# Altium PCB LimeSDR-X3_1v2.PcbDoc (part 18 of 25)
Units mm, origin at the board's own origin, x right, y up, seen from the top; angles counter-clockwise.
Board outline 232.5 x 111.15 mm, 12 copper layers (Top, L2, L3, L4, L5, L6, L7, L8, L9, L10, L11, Bottom), stack 1.596 mm thick; 2084 components, 1388 nets, 8919 pads, 3667 vias.
Unrouted connection lines stored in the file: 1.
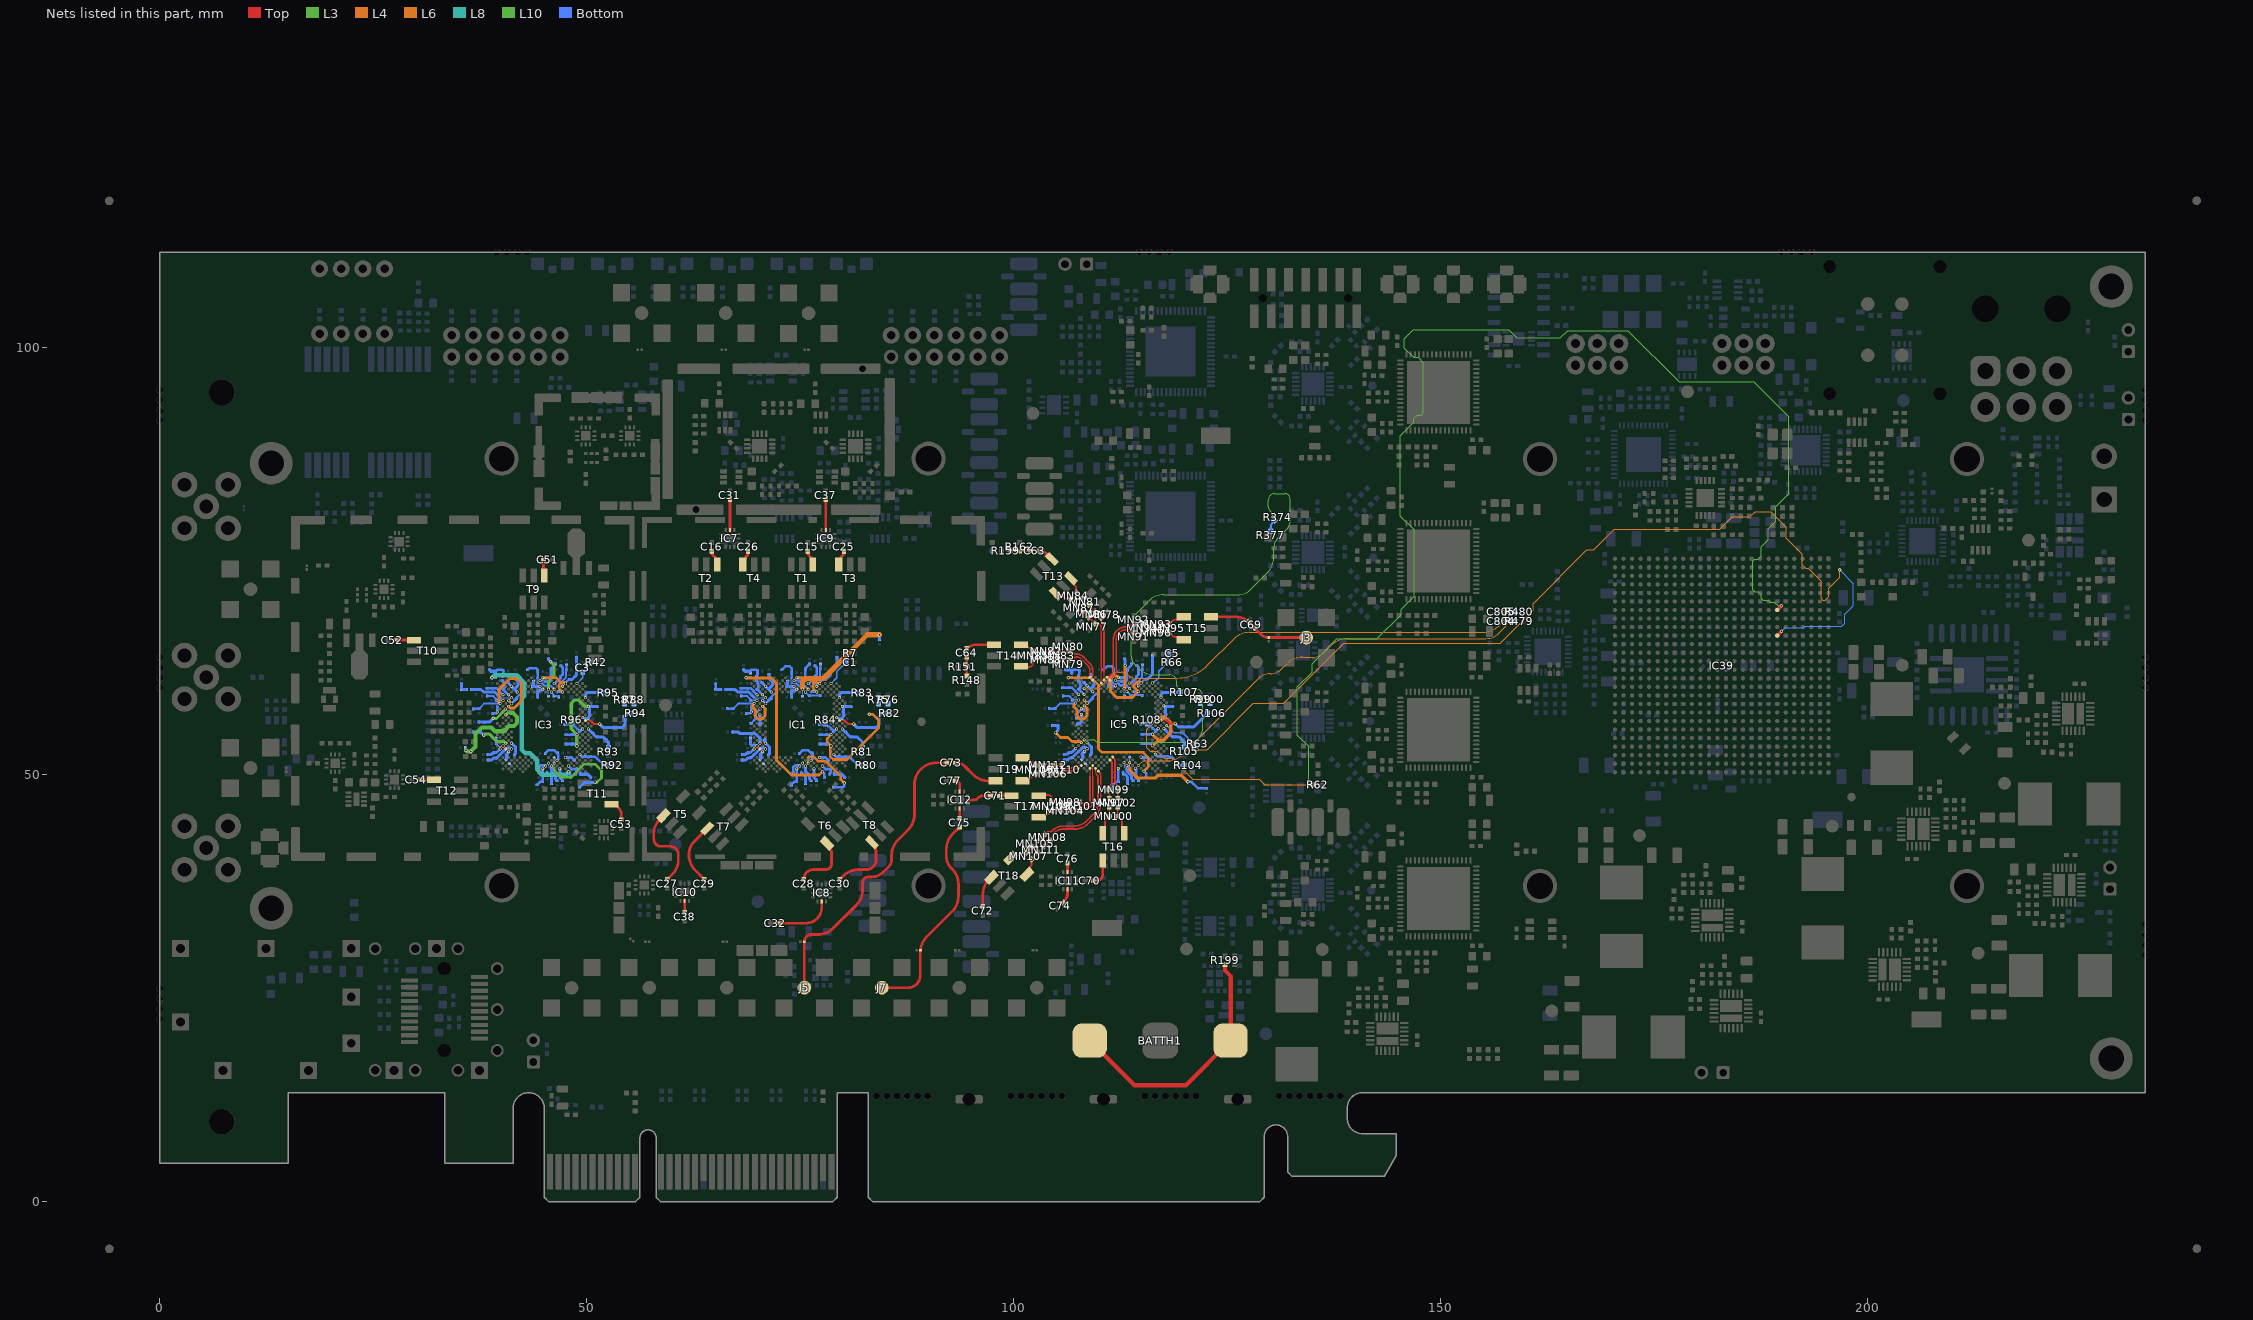
[diagram p28: the nets of this part, all layers, seen from the top]

## Via types
v1: diameter 0.4, hole 0.2, Top to Bottom, tented both sides, 3084 vias
v2: diameter 0.35, hole 0.2, Top to Bottom, tented both sides, 272 vias
v3: diameter 0.5, hole 0.2, Top to Bottom, tented bottom, 196 vias
v4: diameter 0.5, hole 0.2, Top to Bottom, tented both sides, 102 vias
v5: diameter 0.8, hole 0.4, Top to Bottom, tented both sides, 12 vias
v6: diameter 0.6, hole 0.3, Top to Bottom, tented both sides, 1 vias

## Nets (pads, with @x,y where several pads share a name; then routed paths per layer and width w, separated by ;. In a path a pad name is that pad's centre, name@x,y a point inside that pad or via, vN(x,y) a via of type N, cw(c..) or ccw(c..) an arc to the next point about the centre after c; other vN are vias at no path point) (continued)
LMS3_RX2_BB_Q_P: IC5.AC5 R374.1 R377.2 | length 68.8
  L3 w0.1: v2(108.227,54.064) 109.243,54.064 cw(c109.243,53.599) 109.572,53.928 109.6,53.9 ; 109.6,53.9 ccw(c109.841,54.141) 109.841,53.8 120.482,53.8 ccw(c120.482,55.418) 122.1,55.418 122.1,59.25 ccw(c121.35,59.25) 121.35,60 119.475,60 cw(c119.475,60.4) 119.075,60.4 119.075,60.8 ccw(c118.175,60.8) 118.175,61.7 116.427,61.7 cw(c116.427,64.24) 114.631,62.444 114.1,62.975 cw(c115.005,63.88) 113.725,63.88 113.725,67.223 cw(c116.265,67.223) 114.469,69.019 115.756,70.306 cw(c117.552,68.51) 117.552,71.05 126.211,71.05 ccw(c126.211,73.094) 127.657,71.649 127.659,71.651 ; 127.66,71.652 129.648,73.64 ccw(c127.713,75.576) 130.45,75.576 130.45,76.65 cw(c131.838,76.65) 130.857,77.632 131.927,78.702 ccw(c130.906,79.723) 132.35,79.723 132.35,82.275 ccw(c131.725,82.275) 131.725,82.9 130.525,82.9 ccw(c130.525,82.15) 129.775,82.15 129.775,81.387 ccw(c130.508,81.387) 129.989,80.87 ; 129.99,80.869 130.089,80.769 cw(c129.52,80.2) v1(130.325,80.2)
  Bottom w0.254: R377.2@130.075,78.5 130.075,78.97 cw(c130.884,78.97) 130.312,79.542 R374.1@130.531,79.761 ccw(c129.971,79.761) v1@130.367,80.158
LMS3_RX2_H: C71.1 IC12.5 | length 2.9
  Top w0.325: IC12.5@94.515,47.037 IC12.5@94.64,47.037 95.331,47.037 ccw(c95.331,47.594) 95.725,47.2 cw(c96.539,46.386) 96.539,47.537 C71.1@97.29,47.537
LMS3_RX2_H_IN: C75.2 ESD7.1 J7.1 | length 25.3
  Top w0.325: J7.1@84.525,25.05 86.71,25.05 87.6,25.05 ccw(c87.6,26.475) 87.602,25.05 ccw(c87.6,26.475) 89.025,26.475 89.025,29.173 cw(c91.565,29.173) 89.769,30.969 92.756,33.956 ccw(c90.96,35.752) 93.5,35.752 93.5,37.173 ccw(c90.96,37.173) 92.756,38.969 92.6,39.125 cw(c93.867,40.392) 92.075,40.392 92.075,41.237 cw(c94.615,41.237) 92.819,43.033 93.502,43.716 93.552,43.716 93.64,43.804 C75.2@93.64,43.854
LMS3_RX2_W: C73.1 ESD5.1 J5.1 | length 35.8
  Top w0.325: J5.1@75.45,25.05 75.45,29.421 ESD5.1@75.45,30.421 cw(c76.304,30.421) 76.304,31.275 77.048,31.275 ccw(c77.048,33.815) 78.844,32.019 81.531,34.706 ccw(c79.735,36.502) 82.275,36.502 82.275,37.35 cw(c82.95,37.35) 82.95,38.025 83.31,38.025 ccw(c83.31,39.994) 84.702,38.602 85.353,39.253 ccw(c84.575,40.031) 85.675,40.031 85.675,40.556 cw(c88.196,40.556) 86.413,42.338 87.606,43.531 ccw(c85.81,45.327) 88.35,45.327 88.35,48.835 cw(c90.89,48.835) 90.89,51.375 C73.1@92.15,51.375
LMS3_RXEN: IC5.V34 IC39.U7 R63.2 | length 117.6
  Top w0.4: IC39.U7@189.375,66.275 v1(189.875,66.775)
  L6 w0.1: v1(121.425,52.925) 122.624,52.925 128.049,58.35 131.575,58.35 138.625,65.4 156.95,65.4 160.8,69.25 160.8,70.025 167.1,76.325 167.875,76.325 170.275,78.725 182.65,78.725 184.1,80.175 186.15,80.175 186.775,80.8 188.626,80.8 190.45,78.976 190.45,77.695 192.325,75.82 192.325,74.547 192.697,74.175 192.97,74.175 193.225,73.92 193.225,73.917 193.567,73.575 193.57,73.575 194.525,72.62 194.525,70.63 194.73,70.425 195.02,70.425 195.425,70.83 195.425,71.82 196.7,73.095 v1(196.7,73.975)
  Bottom w0.13: v1(189.875,66.775) 190.3,67.2 192.5,67.2 192.675,67.375 196.95,67.375 197.275,67.7 197.275,68.75 198.3,69.775 198.3,72.375 v1(196.7,73.975)
  Bottom w0.2: v2@117.93,55.689 118.734,54.885 119.771,54.885 121.025,53.631 121.025,53.071 121.171,52.925 v1(121.425,52.925)
  other v2: 117.884,55.729
LMS3_RxPLL_CLK: C805.2 IC5.AM24 R480.1 | length 52.5
  L6 w0.1: v2(114.554,51.067) 114.735,51.248 cw(c115.584,50.4) 115.584,51.6 117.923,51.6 ccw(c117.923,54.14) 119.719,52.344 128.617,61.242 cw(c130.025,59.833) 130.025,61.825 ccw(c130.025,63.696) 131.348,62.373 131.981,63.006 cw(c133.777,61.21) 133.777,63.75 134.916,63.75 ccw(c134.916,65.884) 136.425,64.375 137.231,65.181 cw(c139.027,63.385) 139.027,65.925 155.229,65.925 ccw(c155.229,68.209) 156.844,66.594 157.667,67.417 ccw(c156.984,68.1) 157.95,68.1 157.95,68.668 ccw(c157.575,68.668) 157.575,69.043 v1(157.289,69.043)
  Bottom w0.325: C805.2@157.589,69.043 R480.1@158.689,69.043
LMS3_RXRF1_HAB_N: IC5.AJ15 MN99.1 MN102.2 | length 4.8
  Top w0.2: 111.727,51.903 cw(c111.486,51.661) 111.827,51.661 111.827,49.2 ccw(c112.335,49.2) 111.976,48.841 112.008,48.808 cw(c111.649,48.449) 112.157,48.449 MN99.1@112.157,48.26 ; MN102.2@112.157,47.21 MN99.1@112.157,48.252
LMS3_RXRF1_HAB_P: IC5.AK14 MN97.2 MN99.2 | length 4.5
  Top w0.2: MN97.2@111.157,47.21 111.157,48.26 111.157,48.449 cw(c111.665,48.449) 111.306,48.808 111.338,48.841 ccw(c110.979,49.2) 111.487,49.2 111.487,51.345 ccw(c111.169,51.345) 111.394,51.57
LMS3_RXRF1_HBB_N: MN100.1 MN102.1 T16.6 | length 2.8
  Top w0.2: MN100.1@112.157,45.11 112.558,44.708 cw(c112.32,44.47) 112.657,44.47 112.657,43.82 T16.6@112.817,43.66 ; MN100.1@112.157,45.16 MN102.1@112.157,46.21
LMS3_RXRF1_HBB_P: MN97.1 MN100.2 T16.4 | length 3
  Top w0.2: T16.4@110.312,43.475 110.657,43.82 110.657,44.47 cw(c110.994,44.47) 110.756,44.708 MN100.2@111.157,45.11 ; MN100.2@111.157,45.16 111.157,45.81 MN97.1@111.157,46.21
LMS3_RXRF1_WAB_N: IC5.AP10 MN108.2 MN111.2 | length 12.9
  Top w0.2: MN111.2@103.551,41.559 MN108.2@104.288,42.296 ; MN108.2@104.293,42.302 104.329,42.337 104.427,42.436 ccw(c104.068,42.795) 104.576,42.795 104.576,42.841 cw(c105.084,42.841) 104.725,43.2 cw(c105.751,42.174) 105.751,43.625 107.128,43.625 ccw(c107.128,45.846) 108.698,44.275 ; 108.699,44.276 109.523,45.1 ccw(c107.95,46.673) 110.175,46.673 110.175,49.88 ccw(c109.6,49.88) IC5.AP10@110.007,50.286
LMS3_RXRF1_WAB_P: IC5.AN9 MN105.2 MN108.1 | length 13.1
  Top w0.11: IC5.AN9@109.559,50.734 109.559,50.305 ccw(c109.955,50.305) 109.675,50.025
  Top w0.2: MN105.2@102.844,42.266 MN108.1@103.586,43.009 103.622,43.044 103.72,43.143 cw(c104.08,42.784) 104.079,43.292 104.125,43.292 ccw(c104.125,43.8) 104.485,43.44 104.487,43.443 cw(c105.748,42.182) 105.748,43.965 106.987,43.965 ccw(c106.987,46.186) 108.558,44.616 109.282,45.34 ccw(c107.946,46.675) 109.835,46.675 109.835,49.639 ccw(c109.289,49.639) 109.675,50.025
LMS3_RXRF1_WBB_N: MN107.1 MN111.1 T18.6 | length 3
  Top w0.2: T18.6@101.508,38.321 101.508,38.809 101.967,39.268 ccw(c101.729,39.507) 102.066,39.507 MN107.1@102.066,40.074 ; MN107.1@102.101,40.11 MN111.1@102.844,40.852
LMS3_RXRF1_WBB_P: MN105.1 MN107.2 T18.4 | length 3
  Top w0.2: T18.4@99.606,40.223 100.093,40.223 100.553,40.683 cw(c100.791,40.444) 100.791,40.781 MN107.2@101.359,40.781 ; MN107.2@101.394,40.817 101.854,41.276 MN105.1@102.137,41.559
LMS3_RXRF2_HAB_N: IC5.AM8 MN101.1 MN104.2 | length 7.5
  Top w0.11: 109.226,50.561 IC5.AM8@109.226,51.067
  Top w0.14: 109.226,50.561 109.226,49.821 109.235,49.812
  Top w0.2: MN104.2@106.514,45.767 MN101.1@107.557,45.767 ; MN101.1@107.564,45.767 MN101.1@107.614,45.767 107.754,45.767 ccw(c107.754,46.275) 108.113,45.916 108.145,45.948 cw(c108.505,45.589) 108.505,46.097 108.57,46.097 ccw(c108.57,46.762) 109.236,46.762 109.235,49.812
LMS3_RXRF2_HAB_P: IC5.AN7 MN98.2 MN101.2 | length 6.6
  Top w0.14: IC5.AN7@108.893,50.734 cw(c108.864,50.705) 108.905,50.705 108.905,49.821 108.895,49.812
  Top w0.2: MN98.2@106.514,46.767 107.564,46.767 MN101.2@107.614,46.767 107.754,46.767 cw(c107.754,46.259) 108.113,46.618 108.145,46.586 ccw(c108.505,46.945) 108.505,46.437 ccw(c108.505,46.828) 108.896,46.828 108.896,47.825 108.895,49.812
LMS3_RXRF2_HBB_N: MN103.1 MN104.1 T17.6 | length 3
  Top w0.2: T17.6@102.78,44.922 103.125,45.267 103.775,45.267 ccw(c103.775,45.604) 104.013,45.366 MN103.1@104.414,45.767 ; MN103.1@104.464,45.767 MN104.1@105.514,45.767
LMS3_RXRF2_HBB_P: MN98.1 MN103.2 T17.4 | length 3.4
  Top w0.2: T17.4@102.78,47.612 103.976,47.612 cw(c103.976,47.124) 104.464,47.124 104.464,46.767 105.114,46.767 MN98.1@105.514,46.767
LMS3_RXRF2_WAB_N: IC5.AM4 MN110.2 MN112.2 | length 3.6
  Top w0.11: 107.372,51.067 IC5.AM4@107.894,51.067
  Top w0.2: MN112.2@104.509,51.085 MN110.2@105.559,51.085 105.687,50.957 cw(c105.633,50.904) 105.709,50.904 ccw(c105.785,50.904) 105.731,50.85 ccw(c105.96,51.079) 105.96,50.755 106.619,50.755 ccw(c106.619,51.144) 106.894,50.869 ; 106.894,50.869 cw(c107.372,50.391) 107.372,51.067
LMS3_RXRF2_WAB_P: IC5.AN3 MN106.2 MN110.1 | length 3.3
  Top w0.2: MN106.2@104.509,50.085 MN110.1@105.552,50.085 ; MN110.1@105.559,50.085 105.687,50.213 ccw(c105.633,50.267) 105.709,50.267 cw(c105.785,50.267) 105.731,50.32 cw(c105.96,50.091) 105.96,50.415 106.648,50.415 ccw(c106.648,51.075) 107.114,50.608 cw(c107.418,50.305) 107.115,50.61 cw(c107.418,50.305) 107.418,50.734 IC5.AN3@107.561,50.734
LMS3_RXRF2_WBB_N: MN109.1 MN112.1 T19.4 | length 2.5
  Top w0.2: T19.4@101.224,51.611 101.874,51.611 cw(c101.874,51.274) 102.112,51.513 MN109.1@102.514,51.111 ; MN109.1@102.459,51.085 103.109,51.085 MN112.1@103.509,51.085
LMS3_RXRF2_WBB_P: MN106.1 MN109.2 T19.6 | length 3
  Top w0.2: T19.6@100.879,49.266 101.224,49.611 101.874,49.611 ccw(c101.874,49.949) 102.112,49.71 MN109.2@102.514,50.111 ; MN109.2@102.459,50.085 MN106.1@103.509,50.085
LMS3_TX1_1: C64.1 R148.2 R151.2 | length 2.2
  Top w0.325: R148.2@94.484,61.545 R151.2@94.484,62.645 C64.1@94.484,63.75
LMS3_TX2_1: C63.1 R159.2 R162.2 | length 2.4
  Top w0.325: R159.2@99.559,76.2 R162.2@100.659,76.2 C63.1@101.927,76.2
LMS3_TX2_2: C69.1 ESD3.1 J3.1 | length 6.4
  Top w0.325: C69.1@128.15,67.178 128.874,66.454 ccw(c129.85,67.43) ESD3.1@129.85,66.05 ; ESD3.1@129.975,66.05 J3.1@134.225,66.05
LMS3_TXEN: IC5.U29 IC39.Y7 R62.2 | length 166.6
  Top w0.4: v1(134.495,48.8) R62.2@135.075,48.8 ; IC39.Y7@189.375,69.275 v1(189.875,69.775)
  L3 w0.1: v1(134.495,48.8) 134.495,53.302 133.2,54.598 133.2,60.275 134.925,62 134.925,63.009 137.816,65.9 142.509,65.9 145.35,68.741 145.35,69.359 146.85,70.859 146.85,78.667 145.25,80.267 145.25,89.675 146.825,91.25 146.825,91.725 147.2,92.1 147.675,92.1 147.95,92.375 147.95,98.22 147.32,98.85 146.792,98.85 145.7,99.942 145.7,101.044 146.731,102.075 157.933,102.075 158.858,101.15 163.992,101.15 164.842,102 171.9,102 177.9,96 186.6,96 190.7,91.9 190.7,82.859 189.2,81.359 189.2,79.675 188.3,78.775 188.3,77.5 187.5,76.7 187.5,75.542 187.158,75.2 186.725,75.2 186.525,75 186.525,71.63 186.73,71.425 187.125,71.425 187.5,71.05 187.5,70.655 187.73,70.425 188.325,70.425 188.55,70.2 189.05,70.2 189.475,69.775 v1(189.875,69.775)
  L4 w0.1: v2@116.265,56.022 115.55,55.307 115.55,53.15 115.975,52.725 116.8,52.725 117.625,51.9 118.467,51.9 120.917,49.45 128.725,49.45 129.375,48.8 v1(134.495,48.8)
  other v2: 116.219,56.062
LMS3_TxPLL_CLK: C804.2 IC5.E5 R479.1 | length 53.3
  L6 w0.1: v2(108.227,60.058) 108.912,60.058 ccw(c108.912,62.462) 110.612,60.762 111.594,61.744 cw(c112.151,61.188) 112.151,61.975 112.59,61.975 cw(c112.59,60.865) 113.375,61.65 ccw(c114.22,62.495) 114.22,61.3 119.077,61.3 ccw(c119.077,66.364) 122.658,62.783 125.781,65.906 cw(c127.577,64.11) 127.577,66.65 154.944,66.65 ccw(c154.944,69.19) 156.74,67.394 v1(157.289,67.943)
  Bottom w0.325: C804.2@157.589,67.943 R479.1@158.689,67.943
LMS3_TXRF1_1AB_N: IC5.A7 MN79.1 MN83.2 MN88.2 | length 6.3
  Top w0.2: MN88.2@104.28,63.443 MN83.2@105.33,63.443 105.98,63.443 MN79.1@106.38,63.443 106.57,63.443 ccw(c106.57,63.951) 106.929,63.592 106.962,63.624 cw(c107.321,63.265) 107.321,63.773 cw(c107.321,62.974) 107.886,63.539 108.65,62.775 cw(c108.107,62.232) 108.875,62.232 IC5.A7@108.875,61.39
LMS3_TXRF1_1AB_P: IC5.B8 MN80.1 MN82.2 MN83.1 | length 7.9
  Top w0.11: IC5.B8@109.226,61.057 109.226,61.563
  Top w0.14: 109.226,61.488 109.226,62.228
  Top w0.2: MN82.2@104.28,64.443 MN83.1@105.33,64.443 MN80.1@106.38,64.443 106.57,64.443 cw(c106.57,63.935) 106.929,64.295 106.962,64.262 ccw(c107.321,64.621) 107.321,64.113 107.324,64.113 cw(c107.324,62.981) 108.124,63.782 108.893,63.013 cw(c108.115,62.235) 109.215,62.235 109.215,61.6
LMS3_TXRF1_1BB_N: MN85.1 MN88.1 T14.6 | length 3.4
  Top w0.2: T14.6@100.546,62.598 101.743,62.598 ccw(c101.743,63.086) 102.23,63.086 MN85.1@102.23,63.443 MN88.1@103.28,63.443
LMS3_TXRF1_1BB_P: MN82.1 MN85.2 T14.4 | length 3
  Top w0.2: T14.4@100.596,65.288 100.941,64.943 101.591,64.943 cw(c101.591,64.606) 101.829,64.845 MN85.2@102.23,64.443 102.88,64.443 MN82.1@103.28,64.443
LMS3_TXRF2_1AB_N: IC5.C11 MN77.1 MN86.1 MN87.2 | length 9.9
  Top w0.11: IC5.C11@110.225,60.724 110.225,61.23
  Top w0.14: 110.216,61.979 110.225,61.97 110.225,61.23
  Top w0.2: MN87.2@108.017,69.159 MN86.1@108.759,68.417 109.219,67.957 MN77.1@109.502,67.674 109.823,67.674 cw(c109.823,67.323) 110.071,67.571 cw(c109.723,67.223) 110.216,67.223 110.216,62.872 110.216,61.979 ; MN77.1@109.4,67.742 MN77.1@109.619,67.523
LMS3_TXRF2_1AB_P: IC5.B12 MN78.1 MN81.2 MN86.2 | length 9.5
  Top w0.14: 110.556,61.979 110.546,61.97 110.546,61.086 ccw(c110.587,61.086) IC5.B12@110.558,61.057
  Top w0.2: MN81.2@108.724,69.866 MN86.2@109.466,69.124 MN78.1@110.209,68.381 110.209,68.06 ccw(c110.56,68.06) 110.312,67.812 110.313,67.81 cw(c109.728,67.225) 110.556,67.225 110.556,63.013 110.556,61.979
LMS3_TXRF2_1BB_N: MN84.1 MN87.1 T13.6 | length 3
  Top w0.2: T13.6@104.814,71.167 105.302,71.167 105.761,70.707 ccw(c106,70.946) 106,70.609 MN84.1@106.567,70.609 MN87.1@107.31,69.866
LMS3_TXRF2_1BB_P: MN81.1 MN84.2 T13.4 | length 3
  Top w0.2: T13.4@106.716,73.069 106.716,72.581 107.176,72.122 cw(c106.937,71.883) 107.274,71.883 MN84.2@107.274,71.316 107.734,70.856 MN81.1@108.017,70.573
LMS3_TXRF2_2AB_N: IC5.B14 MN91.1 MN94.1 MN96.1 | length 9.9
  Top w0.2: IC5.B14@111.27,61.017 cw(c111.368,61.017) 111.299,61.086 111.327,61.115 ccw(c111.282,61.159) 111.345,61.159 cw(c111.408,61.159) 111.364,61.203 111.669,61.509 ccw(c110.919,62.26) 111.98,62.26 111.98,65.828 cw(c113.102,65.828) 113.102,66.95 cw(c113.102,66.442) 113.461,66.801 ; 113.461,66.801 113.494,66.769 ccw(c113.853,67.128) 113.853,66.62 MN91.1@114.043,66.62 MN94.1@115.093,66.62 MN96.1@116.143,66.62
LMS3_TXRF2_2AB_P: IC5.A13 MN92.1 MN93.2 MN94.2 | length 10.2
  Top w0.2: IC5.A13@110.937,61.35 ccw(c110.937,61.448) 111.006,61.379 111.034,61.407 cw(c111.079,61.363) 111.079,61.425 ccw(c111.079,61.488) 111.123,61.444 111.429,61.749 ccw(c110.917,62.26) 111.64,62.26 111.64,65.828 cw(c113.102,65.828) 113.102,67.29 ccw(c113.102,67.798) 113.461,67.439 113.494,67.471 cw(c113.853,67.112) 113.853,67.62 MN92.1@114.043,67.62 114.443,67.62 MN94.2@115.093,67.62 MN93.2@116.143,67.62
LMS3_TXRF2_2BB_N: MN95.1 MN96.2 T15.4 | length 3
  Top w0.2: MN96.2@117.143,66.62 117.543,66.62 MN95.1@118.193,66.62 118.594,66.219 ccw(c118.832,66.457) 118.832,66.12 119.482,66.12 T15.4@119.827,65.775
LMS3_TXRF2_2BB_P: MN93.1 MN95.2 T15.6 | length 3
  Top w0.2: MN93.1@117.143,67.62 MN95.2@118.193,67.62 118.594,68.021 cw(c118.832,67.783) 118.832,68.12 119.482,68.12 T15.6@119.827,68.465
NetBATTH1_1: BATTH1.1 R199.1 | length 30
  Top w0.5: BATTH1.1@108.875,18.85 114.1,13.625 120.15,13.625 BATTH1.1@125.375,18.85 125.375,26.4 124.725,27.05 R199.1@124.725,27.775
NetC1_1: C1.1 IC1.C29 R7.1 | length 4.3
  Bottom w0.2: v2(78.575,60.668) 79.25,61.343 79.25,62.067 C1.1@80.346,63.163 R7.1@80.346,64.213
NetC3_1: C3.1 IC3.C29 R42.1 | length 3.2
  Bottom w0.2: v2(48.825,60.668) 49.5,61.343 49.5,61.705 49.5,62.067 R42.1@50.596,63.163
NetC5_1: C5.1 IC5.C29 R66.1 | length 4.3
  Bottom w0.2: v2@116.265,60.684 116.94,61.359 116.94,62.084 R66.1@118.036,63.18 C5.1@118.036,64.23
  other v2: 116.219,60.724
NetC15_2: C15.2 T1.3 | length 2.3
  Top w0.325: C15.2@75.853,76.16 75.853,76.064 ccw(c76.436,76.064) 76.024,75.652 76.126,75.55 cw(c75.305,74.729) 76.466,74.729 T1.3@76.466,74.585 T1.3@76.466,75.106
NetC16_2: C16.2 T2.3 | length 1.8
  Top w0.325: C16.2@64.627,76.16 64.627,76.064 ccw(c65.21,76.064) 64.798,75.652 64.9,75.55 cw(c64.079,74.729) 65.24,74.729 T2.3@65.24,74.585
NetC25_2: C25.2 T3.1 | length 2.3
  Top w0.325: T3.1@79.481,75.081 79.481,74.56 79.481,74.704 cw(c80.642,74.704) 79.821,75.525 79.923,75.627 ccw(c79.511,76.039) 80.093,76.039 C25.2@80.093,76.135
NetC26_2: C26.2 T4.1 | length 2.4
  Top w0.325: T4.1@68.255,74.489 68.255,74.633 cw(c69.416,74.633) 68.595,75.454 68.697,75.556 ccw(c68.285,75.967) 68.867,75.967 68.867,76.064 C26.2@68.867,76.16 ; T4.1@68.255,74.585 T4.1@68.255,75.106
NetC27_2: C27.2 T5.3 | length 10.4
  Top w0.325: T5.3@58.98,45.191 58.469,44.681 ccw(c60.025,43.125) 57.825,43.125 57.825,42.45 ccw(c58.675,42.45) 58.675,41.6 59.775,41.6 cw(c59.775,40.675) 60.7,40.675 60.7,40.077 cw(c58.16,40.077) 59.956,38.281 59.532,37.857 59.482,37.857 59.395,37.77 C27.2@59.395,37.72
NetC28_2: C28.2 T6.3 | length 6.9
  Top w0.325: C28.2@75.375,37.72 cw(c76.53,37.72) 76.53,38.875 77.95,38.875 ccw(c77.95,39.575) 78.65,39.575 78.65,40.823 ccw(c78.223,40.823) 78.525,41.125 78.408,41.242 cw(c79.116,41.951) T6.3@78.114,41.951
NetC29_2: C29.2 T7.3 | length 7.4
  Top w0.325: C29.2@63.735,37.72 63.735,37.77 63.648,37.857 63.598,37.857 62.694,38.761 cw(c64.49,40.557) 61.95,40.557 61.95,40.675 cw(c64.095,40.675) 62.578,42.192 T7.3@64.078,43.692
NetC30_2: C30.2 T8.3 | length 7.4
  Top w0.325: C30.2@79.6,37.719 80.012,38.131 cw(c81.808,36.335) 81.808,38.875 82.703,38.875 ccw(c82.703,40.022) 83.85,40.022 83.85,40.907 ccw(c82.209,40.907) T8.3@83.369,42.067
NetC31_1: C31.1 IC7.5 | length 3.6
  Top w0.325: IC7.5@66.747,78.535 IC7.5@66.747,78.66 C31.1@66.747,82.13
NetC32_2: C32.2 IC8.5 | length 6.8
  Top w0.325: C32.2@72.525,32.6 75.618,32.6 ccw(c75.618,34.47) 77.488,34.467 ccw(c75.618,34.47) 77.488,34.47 IC8.5@77.488,35.145 IC8.5@77.488,35.27
NetC37_1: C37.1 IC9.5 | length 3.6
  Top w0.325: IC9.5@77.973,78.535 IC9.5@77.973,78.66 C37.1@77.973,82.13
NetC38_2: C38.2 IC10.5 | length 1.5
  Top w0.325: C38.2@61.44,33.87 IC10.5@61.44,35.22 IC10.5@61.44,35.345
NetC51_2: C51.2 T9.3 | length 1.9
  Top w0.325: C51.2@44.9,75.175 44.9,73.589 ccw(c45.279,73.589) T9.3@45.011,73.321
NetC52_2: C52.2 T10.3 | length 2.1
  Top w0.325: C52.2@27.704,65.752 28.195,65.752 T10.3@29.76,65.752
NetC53_2: C53.2 T11.3 | length 2.4
  Top w0.325: T11.3@52.873,46.508 cw(c52.873,45.496) 53.589,46.211 53.7,46.1 cw(c52.915,45.315) 54.025,45.315 C53.2@54.025,44.7
NetC54_2: C54.2 T12.3 | length 1.6
  Top w0.325: C54.2@30.491,49.407 30.491,49.402 T12.3@32.076,49.402
NetC63_2: C63.2 T13.3 | length 1.9
  Top w0.325: C63.2@102.927,76.2 cw(c102.927,74.867) 103.869,75.81 T13.3@104.439,75.24
NetC64_2: C64.2 T14.3 | length 3.3
  Top w0.325: C64.2@94.475,64.75 cw(c95.593,63.632) 95.593,65.213 T14.3@97.666,65.213
NetC69_2: C69.2 T15.1 | length 4.5
  Top w0.325: T15.1@123.065,68.473 126.024,68.473 cw(c126.024,66.466) C69.2@127.443,67.885
NetC70_2: C70.2 T16.3 | length 3.1
  Top w0.325: C70.2@109.35,37.575 109.687,37.575 ccw(c109.687,38.275) 110.387,38.275 T16.3@110.387,39.955
NetC71_2: C71.2 T17.3 | length 1.4
  Top w0.325: C71.2@98.29,47.537 T17.3@99.725,47.537
NetC72_2: C72.2 T18.3 | length 3.8
  Top w0.325: C72.2@96.35,34.529 96.35,35.915 cw(c98.89,35.915) 97.094,37.711 T18.3@97.357,37.974
NetC73_2: C73.2 T19.1 | length 5.4
  Top w0.325: C73.2@93.15,51.375 93.214,51.375 cw(c93.214,49.839) 94.3,50.925 95.215,50.01 ccw(c97.011,51.806) 97.011,49.266 T19.1@97.824,49.266
NetC74_1: C74.1 IC11.2 | length 1.8
  Top w0.325: C74.1@105.775,35 ccw(c104.568,36.207) 106.275,36.207 IC11.2@106.275,36.575 IC11.2@106.275,36.7
NetC75_1: C75.1 IC12.2 | length 1.3
  Top w0.325: C75.1@93.64,44.854 IC12.2@93.64,46.037 IC12.2@93.64,46.162
NetC76_1: C76.1 IC11.8 | length 1.2
  Top w0.325: IC11.8@106.275,38.45 IC11.8@106.275,38.575 C76.1@106.275,39.65
NetC77_1: C77.1 IC12.8 | length 1.7
  Top w0.325: C77.1@93.115,49.287 cw(c93.115,48.762) 93.64,48.762 IC12.8@93.64,48.037 IC12.8@93.64,47.912
NetC82_1: C82.1 C83.1 C89.1 C90.1 C91.1 C92.1 C93.1 C94.1 IC1.AA29 IC1.AE29 IC1.L33 IC1.R31 R75.2 R76.2 | length 18.3
  L4 w0.3: v2(78.575,54.674) 78.15,54.249 78.15,53.767 v2(78.575,53.342) 78.575,53.328 78.483,53.236 78.483,52.138 78.85,51.771 80.45,51.771 84.15,55.471 84.15,56.371 83.439,57.082 v1(83.041,57.082)
  Bottom w0.23: v2(79.241,56.672) 79.298,56.615 C83.1@79.897,56.615
  Bottom w0.3: C93.1@77.296,53.583 78.333,53.583 v2(78.575,53.342) ; C89.1@77.296,54.683 C94.1@78.071,54.683 v2@78.565,54.683
  Bottom w0.35: v2(79.907,58.004) v2@79.947,57.964 ; C83.1@79.931,56.694 80.046,56.809 80.046,57.865 v2@79.947,57.964 ; C91.1@80.906,57.964 v2@79.947,57.964
NetC84_1: C84.1 C85.1 C86.1 FR3.1 IC1.A17 IC1.C25 IC1.F24 | length 9.3
  L4 w0.3: v2(74.579,61.334) 76.088,61.334 76.651,60.771 ; v2(76.91,59.669) 76.475,60.104 76.475,60.595 76.651,60.771 ; v2(77.243,60.668) 77.23,60.668 77.127,60.771 76.651,60.771
  Bottom w0.25: v2(77.243,60.668) 77.243,60.755 C85.1@77.621,61.133
  Bottom w0.3: C86.1@76.447,59.705 76.874,59.705 v2(76.91,59.669)
  Bottom w0.35: v2(74.579,61.334) C84.1@75.093,61.334 ; C85.1@77.721,61.133 77.996,61.133 78.506,61.644 78.506,62.006 79.256,62.756 FR3.1@79.256,63.744
NetC87_2: C87.2 FR2.1 IC1.M4 | length 2.6
  Bottom w0.17: 69.887,57.308 v2(70.25,57.671)
  Bottom w0.25: FR2.1@69.223,55.996 69.741,56.513 69.741,57.162 v2(70.25,57.671)
NetC88_1: C88.1 FR1.1 IC1.AL21 | length 8.8